# Altium PCB 蓝桥1.3.PcbDoc (part 1 of 2)
Units mm, origin at the board's own origin, x right, y up, seen from the top; angles counter-clockwise.
Board outline 175.02 x 129.02 mm, 2 copper layers (Top Layer, Bottom Layer); 128 components, 128 nets, 604 pads, 130 vias.
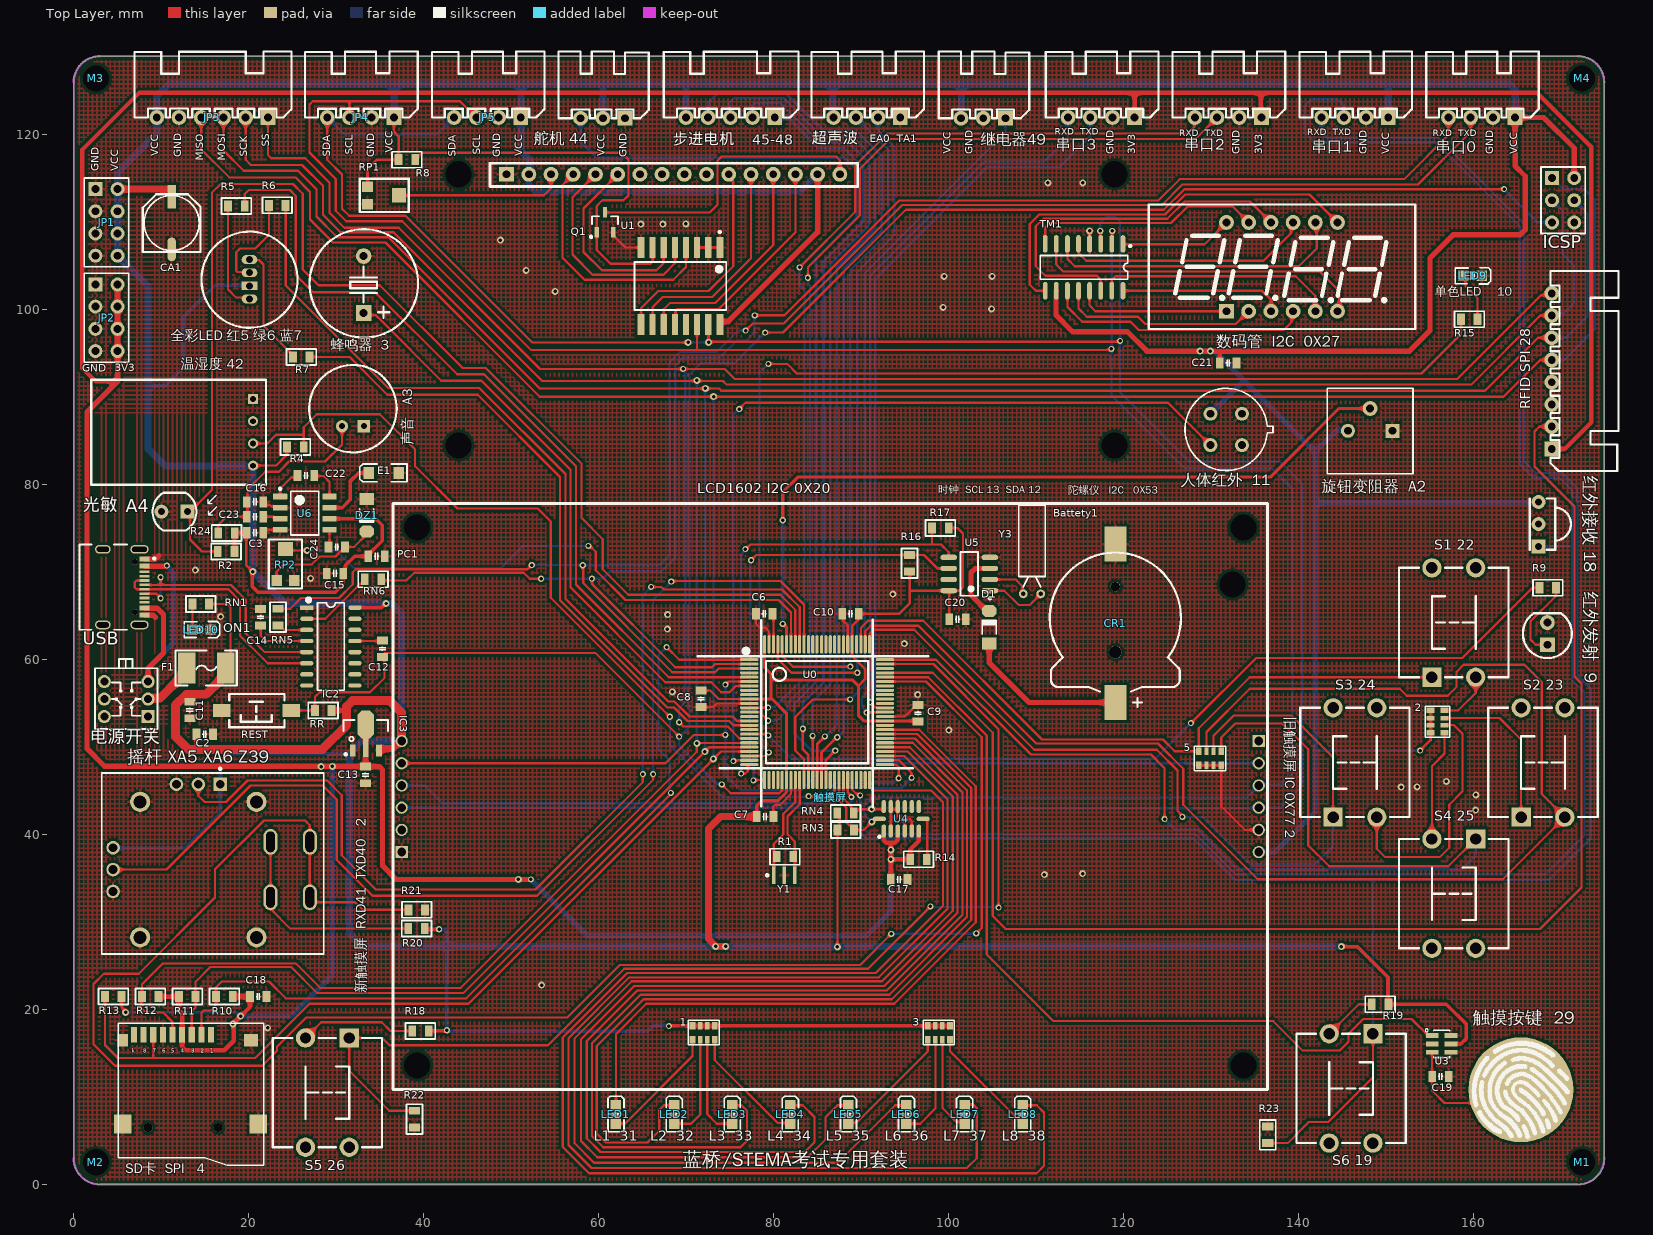
[diagram p0: Top Layer view]
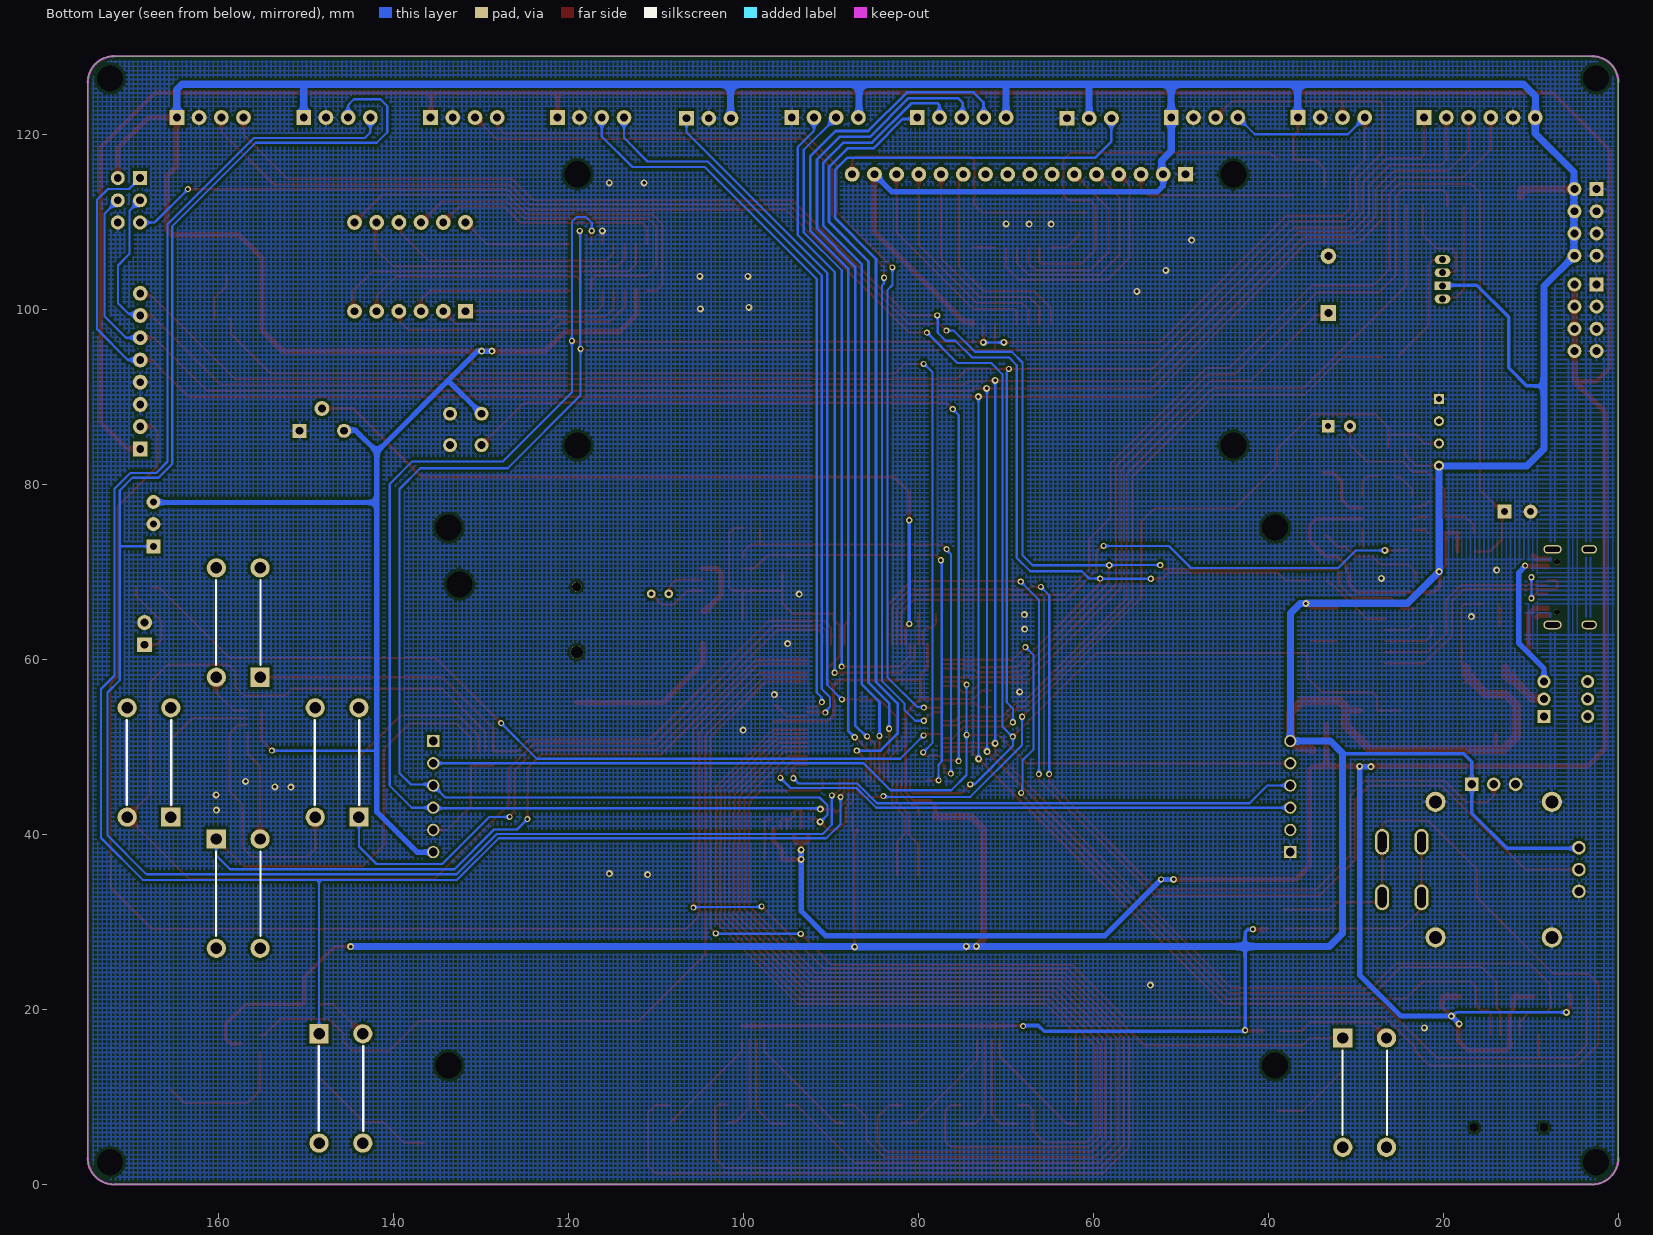
[diagram p1: Bottom Layer view, seen from below]

## Layer stack, top to bottom
Top Solder: solder mask 0.0102, Solder Resist, Dk 3.5
Top Layer: signal copper 0.0356
Dielectric 1: dielectric 0.32, FR-4, Dk 4.8
Bottom Layer: signal copper 0.0356
Bottom Solder: solder mask 0.0102, Solder Resist, Dk 3.5

## Board outline
0,3 0,126 -0.01,126 cw(c3,126) 3,129.01 3,129 172.01,129 172,129.01 cw(c172,126) 175.01,126 175,126.01 175,3 175.01,3 cw(c172,3) 172,-0.01 172,0 3,0 3,-0.01 cw(c3,3)

## Design rules (kind name [scope] priority, off if disabled: settings)
Clearance Clearance_1 [InPolygon] p1: gap=0.305 ignorepadtopadclearanceinfootprint=FALSE
Clearance [All] p2: gap=0.127 ignorepadtopadclearanceinfootprint=FALSE
ComponentClearance [All] p1: gap=0 collisioncheckmode=3 verticalgap=0 showdistances=FALSE
HoleSize [All] p1: absolutevalues=TRUE maxlimit=5 minlimit=0.3 maxpercent=80.000 minpercent=20.000
MinimumSolderMaskSliver [All] p1: minsoldermaskwidth=0.152
PlaneClearance [All] p1: clearance=0.406
PolygonConnect [All] p1: thpad.connectstyle=Relief thpad.reliefconductorwidth=0.254 thpad.reliefentries=4 thpad.polygonreliefangle="90 Angle" thpad.airgapwidth=0.254 smdpad.connectstyle=Relief smdpad.reliefconductorwidth=0.254 smdpad.reliefentries=4 smdpad.polygonreliefangle="90 Angle" smdpad.airgapwidth=0.254 via.connectstyle=Direct via.reliefconductorwidth=0.254 via.reliefentries=4 via.polygonreliefangle="90 Angle" via.airgapwidth=0.254
RoutingVias [All] p1: holewidth=0.5 width=0.8 viastyle="Through Hole" minholewidth=0.3 minwidth=0.5 maxholewidth=0.711 maxwidth=1.27
SilkToSilkClearance [All] p1: silktosilkclearance=0
SilkToSolderMaskClearance [IsPad] p1: minsilkscreentomaskgap=0 clearancetoexposedcopper=TRUE
SolderMaskExpansion [All] p1: expansion=0.051
Width [All] p1: maxlimit=2.032 minlimit=0.127 preferedwidth=0.254
24 further rules are at their usual default settings.

## Components (designator, comment, footprint, x,y, rotation, side; value= is the part's Value field where it differs from the comment)
1 "102" RCA-8P4R-0603 72.03,17.35 r0 top
2 "102" RCA-8P4R-0603 155.95,52.925 r270 top
3 "102" RCA-8P4R-0603 98.925,17.35 r0 top
5 "103" RCA-8P4R-0603 129.925,48.725 r0 top
C2 "10UF" "C 0805_L" 14.975,51.475 r180 top
C3 "104" "C 0805_L" 20.725,74.51 r180 top
C6 "104" "C 0805_L" 78.95,65.25 r0 top
C7 "104" "C 0805_L" 79.05,42.05 r0 top
C8 "104" "C 0805_L" 71.725,55.525 r270 top
C9 "104" "C 0805_L" 96.55,53.875 r90 top
C10 "104" "C 0805_L" 88.825,65.25 r180 top
C11 "104" "C 0805_L" 13.275,54.25 r90 top
C12 "104" "C 0805_L" 35.3,61.25 r90 top
C13 "104" "C 0805_L" 33.35,46.825 r90 top
C14 "104" "C 0805_L" 21.375,64.85 r270 top
C15 "104" "C 0805_L" 29.875,69.875 r180 top
C16 "104（NC）" "C 0805_L" 20.725,78.05 r180 top
C17 "104" "C 0805_L" 94.375,34.875 r0 top
C18 "104" "C 0805_L" 21.1,21.475 r180 top
C19 "1-50PF" "C 0805_L" 156.275,12.35 r180 top
C20 "104" "C 0805_L" 101.05,64.625 r0 top
C21 "104" "C 0805_L" 132,93.925 r180 top
C22 "10UF" "C 0805_L" 26.55,81.05 r180 top
C23 "104" "C 0805_L" 20.726,76.35 r0 top
C24 "104" "C 0805_L" 30.075,72.9 r0 top
CA1 "47uF/25V" "CM D(6.3*5.4)" 11.2,109.925 r90 top
CR1 "1220" CR1220_A 119.1,64.75 r270 top
D1 "" "MINI_MELF (LL34)" 104.675,63.7 r90 top
DZ1 "1N4625" "MINI_MELF (LL34)" 33.5,76.5 r270 top
E1 "10uF/6.3V" "CD A(3216)" 35.45,81.35 r0 top
F1 "MSMD200-8V 2A" "FU 1812" 15.15,59.05 r180 top
IC2 "CH340C" SOP16_L 29.4,61.5 r0 top
IC3 "AMS1117-3V3" SOT89_N 33.4,51.575 r0 top
ICSP "Header3X2" HDR2.54-LI-2X3P 170.3,112.53 r270 top locked
JP1 "Header 4X2" HDR2.54-LI-2X4P 3.75,110 r270 top
JP2 "Header 4X2" HDR2.54-LI-2X4P 3.75,99.1 r270 top
JP3 "HDR-1X6" XH2.54-WI-6P 15.85,122 r180 top locked
JP4 "HDR-1X4" XH2.54-WI-4P 32.8,122 r180 top locked
JP5 "HDR-1X4" XH2.54-WI-4P 47.31,122 r180 top locked
"LCD1602 I2C 0X20" "LCD 1602" LCD-1602 49.5,115.5 r0 top locked
LED1 "31" LUMX-SML-LXT0805_V 62,8 r90 top
LED2 "32" LUMX-SML-LXT0805_V 68.643,8 r90 top
LED3 "33" LUMX-SML-LXT0805_V 75.286,8 r90 top
LED4 "34" LUMX-SML-LXT0805_V 81.929,8 r90 top
LED5 "35" LUMX-SML-LXT0805_V 88.571,8 r90 top
LED6 "36" LUMX-SML-LXT0805_V 95.214,8 r90 top
LED7 "37" LUMX-SML-LXT0805_V 101.857,8 r90 top
LED8 "38" LUMX-SML-LXT0805_V 108.5,8 r90 top
LED9 "38" LUMX-SML-LXT0805_V 159.95,103.9 r0 top
LED10 "31" LUMX-SML-LXT0805_V 14.6,63.45 r0 top
M1 "3MM螺柱" 3MM螺柱#1 173.101,2.54 r0 top
M2 "3MM螺柱" 3MM螺柱#2 2.54,2.54 r0 top
M3 "3MM螺柱" 3MM螺柱#3 2.54,125.603 r0 top
M4 "3MM螺柱" 3MM螺柱#4 171.45,126.619 r0 top
PC1 "10UF" "C 0805_L" 34.625,71.825 r180 top
Q1 "SS8050" SOT23-3N 60.75,110 r0 top
R1 "1M" "R 0805_L" 81.325,37.475 r0 top
R2 "1K" "R 0805_L" 17.425,72.375 r180 top
R4 "10K" "R 0805_L" 25.35,84.325 r0 top
R5 "1K" "R 0805_L" 18.6,111.875 r0 top
R6 "1K" "R 0805_L" 23.275,111.95 r0 top
R7 "1K" "R 0805_L" 26.025,94.625 r0 top
R8 "10K" "R 0805_L" 38.1,117.175 r0 top
R9 "1K" "R 0805_L" 168.55,68.225 r0 top
R10 "10K" "R 0805_L" 17.224,21.475 r180 top
R11 "10K" "R 0805_L" 12.991,21.475 r180 top
R12 "10K" "R 0805_L" 8.758,21.475 r0 top
R13 "10K" "R 0805_L" 4.525,21.475 r0 top
R14 "10K" "R 0805_L" 96.6,37.175 r180 top
R15 "1K" "R 0805_L" 159.575,98.925 r0 top
R16 "10K" "R 0805_L" 95.575,71.025 r270 top
R17 "10K" "R 0805_L" 99.1,75.05 r0 top
R18 "1K" "R 0805_L" 39.65,17.55 r0 top
R19 "1K" "R 0805_L" 149.375,20.6 r180 top
R20 "1K" "R 0805_L" 39.2,29.25 r180 top
R21 "10K" "R 0805_L" 39.225,31.4 r0 top
R22 "10K" "R 0805_L" 38.975,7.475 r90 top
R23 "10K" "R 0805_L" 136.525,5.675 r270 top
R24 "10K" "R 0805_L" 17.475,74.5 r0 top
REST "3x6x5" "TSW SMD-3*6*2.5" 20.875,54.175 r180 top
"RFID SPI 28" "HDR-1X8" XH2.54-WI-8P 169,93 r90 top locked
RN1 "1K" "R 0805_L" 14.525,66.375 r180 top
RN3 "10K" "R 0805_L" 88.275,40.525 r0 top
RN4 "10K" "R 0805_L" 88.25,42.475 r0 top
RN5 "1K" "R 0805_L" 23.35,64.875 r90 top
RN6 "1K" "R 0805_L" 34.225,69.2 r0 top
RP1 "10K" 3303W 35.4,113.1 r270 top
RP2 "10K" 3303W 24.2,70.85 r0 top
RR "10K" "R 0805_L" 28.525,54.2 r180 top
"S1 22" "12x12x5" "TSW DIP-12*12*4.3" 157.8,64.25 r90 top locked
"S2 23" "12x12x5" "TSW DIP-12*12*4.3" 168,48.25 r90 top locked
"S3 24" "12x12x5" "TSW DIP-12*12*4.3" 146.5,48.25 r90 top locked
"S4 25" "12x12x5" "TSW DIP-12*12*4.3" 157.8,33.25 r270 top locked
"S5 26" "12x12x5" "TSW DIP-12*12*4.3" 29,10.5 r270 top
"S6 19" "12x12x5" "TSW DIP-12*12*4.3" 146.05,10.975 r270 top
"SD卡  SPI   4" "TF_Card" "Micro SD" 12.5,6.5 r0 top locked
TM1 "TM1650" SOP16 115.525,104.875 r270 top
U0 "atmega2560" "LQFP100 14x14_M" 85,54 r270 top locked
U1 "PCF8574T" FP-SOT162-1-MFG 69.375,102.725 r270 top locked
U3 "TTP223B" SOT23-6 156.396,16.068 r90 top
U4 "ADXL345BCCZ-RL7" ADI-CC-14-1_V 94.625,41.8 r90 top
U5 "DS1307Z+T&R" S8+2_L 102.4,69.8 r180 top
U6 "LM386M-1" D0008A_M 26.425,76.75 r0 top
USB "USB4105-GF-A" FP-USB4105-GF-A-MFG 4.5,68.3 r270 top locked
Y1 "CSTCE8M00G55-R0" MURA-CSTCE_G_A-3_V 81.25,35.35 r0 top
Y3 "32.768kHz" OSC-3x8-WI-A 109.575,67.525 r0 top
串口0 "HDR-1X4" XH2.54-WI-4P 161,122 r180 top locked
串口1 "HDR-1X4" XH2.54-WI-4P 146.5,122 r180 top locked
串口2 "HDR-1X4" XH2.54-WI-4P 132,122 r180 top locked
串口3 "HDR-1X4" XH2.54-WI-4P 117.5,122 r180 top locked
"人体红外  11" "BM412" BM412 131.775,86.325 r315 top
光敏 "5528" RG5528 11.525,76.925 r180 top
"全彩LED 红5 绿6 蓝7" "RGBLED" RGB10MM 20.1,103.45 r90 top
"声音   A3" "MIC" MIC 31.925,88.7 r270 top
"摇杆 XA5 XA6 Z39" "RKJXK122400Y" FP-RKJXK122400Y-MFG 14.25,36 r90 top locked
"数码管  I2C  0X27" "3641A" "SMG 0.36-4P" 138.16,104.92 r0 top locked
"旋钮变阻器  A2" "3386P-1-105TLF" FP-3386P-MFG 148.235,86.16 r180 top value=1MΩ
步进电机 "HDR-1X5" XH2.54-WI-5P 75.08,122 r180 top locked
"温湿度 42" "DHT11" DHT11 20.5,86 r90 top
电源开关 "KET 7X7" "KFT DIP-7X7" 6,55.5 r90 top
"红外发射  9" "" I-LED-5MM 168.5,62.975 r90 top
"红外接收 18" "VS1838B" VS1838B-B 167.5,75.5 r90 top
继电器49 "HDR-1X3" XH2.54-WI-3P 104,121.908 r180 top locked (schematic designator 继电器)
"舵机 44" "HDR-1X3" XH2.54-WI-3P 60.5,121.908 r180 top locked
"蜂鸣器  3" "DC5V" "BEEP 6.5x12x6" 33.15,102.9 r0 top
触摸屏 "触摸屏" 触摸屏 86.5,44.35 r0 top locked
"触摸按键  29" "touch" TOUCH 165.475,10.825 r45 top
超声波 "HDR-1X4" XH2.54-WI-4P 90.7,122 r180 top locked

## Footprints (in the part's own frame and the unit in brackets; to place one, negate y for a bottom-side part, rotate by r counter-clockwise, add the part's x,y. Pads: shape width x height; smd on the part's side, far side on the other; paste and mask are expansions set on the pad)
3MM螺柱#1 [mm]
  round 0 hole 3: 0(-0.641,0)
3MM螺柱#2 [mm]
  round 0 hole 3: 0(0,0)
3MM螺柱#3 [mm]
  round 0 hole 3: 0(0,0.857)
3MM螺柱#4 [mm]
  round 0 hole 3: 0(1.01,-0.159)
3303W [mm] "3.5*3.1*1.5mm"
  rect 1.2x1.3 smd: 1(-1,-1.8) 3(1,-1.8)
  rect 1.7x1.6 smd: 2(0,1.8)
  silkscreen extent -1.9,-2.7 1.9,2.9, body extent -1.55,-2.06 1.55,2.05, height 1.45
ADI-CC-14-1_V [mm] "QFN, 14-Leads, Body 5x3mm, Pitch 0.8mm"
  oval 1.5x0.5 smd: 1(-1.4,2) 2(-1.4,1.2) 3(-1.4,0.4) 4(-1.4,-0.4) 5(-1.4,-1.2) 6(-1.4,-2) 8(1.4,-2) 9(1.4,-1.2) 10(1.4,-0.4) 11(1.4,0.4) 12(1.4,1.2) 13(1.4,2)
  oval 0.5x1.5 smd: 7(0,-2.5) 14(0,2.5)
  silkscreen extent -2.18,2.37 -1.93,2.62, body extent -1.5,-2.5 1.5,2.5, height 1
"BEEP 6.5x12x6" [mm] "6.5*12*6mm(脚距,直径,高度)"
  rect 1.8x1.8 hole 0.9: 1(0,-3.25)
  round 1.8 hole 0.9: 2(0,3.25)
  silkscreen extent -6.18,-6.07 6.22,6.32, body extent -6,-6 6,6, height 6.05
BM412 [mm]
  round 1.6 hole 0.9 paste-1000 mask+0: 1(2.54,0) 2(0,2.54) 3(-2.54,0) 4(0,-2.54)
  silkscreen extent -4.7,-4.7 4.7,4.7, body extent -4.8,-4.8 4.8,4.8, height 0.25
"C 0805_L" [mil] "无极性贴片电容"
  rect 35x50 smd: 1(-37.4,0) 2(37.4,0)
  silkscreen extent -10,-15 10,15, body extent -39,-24 39,24, height 20
"CD A(3216)" [mm] "长3.2mm，宽1.6mm，厚1.6mm"
  rect 1.2x1.4 smd: 1(-1.7,0) 2(1.7,0)
  silkscreen extent -2.74,-1.02 2.67,1.02, body extent -1.6,-0.8 1.6,0.8, height 1.6
"CM D(6.3*5.4)" [mm] "贴片电解电容，直径6.3mm，高5.4mm"
  rect 2.7x1 smd: 1(3,0)
  oval 2.7x1 smd: 2(-3,0)
  silkscreen extent -3.3,-3.3 3.3,3.3, body extent -3.5,-3.3 3.5,3.3, height 5.4
CR1220_A [mm] "纽扣电池座"
  round 1.1 hole 1.1: 0(-3.6,0)
  round 1.45 hole 1.45: 0(3.9,0)
  rect 4x2.5 smd: 1(9.652,0) 2(-8.458,0)
  silkscreen extent -7.5,-7.5 10.16,7.5, body extent -9.42,-7.45 10.34,7.45, height 4.05
D0008A_M [mm] "SOIC, 8-Leads, Body 5x4mm, Pitch 1.27mm, IPC Low Density"
  rrect15% 1.65x0.65 smd: 1(-2.825,1.905) 2(-2.825,0.635) 3(-2.825,-0.635) 4(-2.825,-1.905) 5(2.825,-1.905) 6(2.825,-0.635) 7(2.825,0.635) 8(2.825,1.905)
  silkscreen extent -2.95,-2.5 1.6,2.9, body extent -3,-2.45 3,2.45, height 1.63
DHT11 [mm]
  round 1.15 hole 0.65 paste-1000 mask+0: 1(-3.81,0) 2(-1.27,0) 3(1.27,0)
  rect 1.15x1.15 hole 0.65 paste-1000 mask+0: 4(3.81,0)
  silkscreen extent -6,-1.5 6,18.5, body extent -6,-4.95 6,18.54, height 5.5
FP-3386P-MFG [mm]
  rect 1.6x1.6 hole 0.9 paste-1000 mask+0: 1(-2.54,-0.015)
  round 1.7 hole 0.9 paste-1000 mask+0: 2(0,-2.555)
  round 1.6 hole 0.9 paste-1000 mask+0: 3(2.54,-0.015)
  silkscreen extent -4.89,-4.89 4.89,4.89, body extent -4.99,-4.99 4.99,4.99, height 0.25
FP-RKJXK122400Y-MFG [mm]
  round 2.3 hole 1.5 paste-1000 mask+0: 1(-7.75,6.65) 2(7.75,6.65) 3(-7.75,-6.65) 4(7.75,-6.65)
  rect 1.55x1.55 hole 1 paste-1000 mask+0: 1_VR1(9.75,-2.5)
  round 1.55 hole 1 paste-1000 mask+0: 1_VR2(2.5,9.75) 2_VR1(9.75,0) 2_VR2(0,9.75) 3_VR1(9.75,2.5) 3_VR2(-2.5,9.75)
  rrect100% 2.95x1.6 hole 1 slot 2.35 at 0 deg paste-1000 mask+0: a(-3.175,-8.25) b(-3.175,-12.75) c(3.175,-8.25) d(3.175,-12.75)
  silkscreen extent -9.65,-14.35 11.65,11.05, body extent -9.75,-14.45 11.15,11.15, height 0.25
FP-SOT162-1-MFG [mm]
  rect 2.4x0.8 smd paste+0 mask+0: 1(-4.4,4.495) 8(-4.4,-4.495) 9(4.4,-4.495) 16(4.4,4.495)
  rect 2.4x0.7 smd paste+0 mask+0: 2(-4.4,3.175) 3(-4.4,1.905) 4(-4.4,0.635) 5(-4.4,-0.635) 6(-4.4,-1.905) 7(-4.4,-3.175) 10(4.4,-3.175) 11(4.4,-1.905) 12(4.4,-0.635) 13(4.4,0.635) 14(4.4,1.905) 15(4.4,3.175)
  silkscreen extent -6.3,-5.25 2.75,5.25, body extent -5.72,-5.95 5.72,5.95, height 0.25
FP-USB4105-GF-A-MFG [mm]
  rrect100% 1x2.1 hole 1.7 slot 0.6 at 0 deg paste-1000 mask+0: 1(-4.32,3.015) 2(4.32,3.015)
  rrect100% 1x1.8 hole 1.4 slot 0.6 at 0 deg paste-1000 mask+0: 3(-4.32,-1.165) 4(4.32,-1.165)
  rect 0.6x1.15 smd paste+0 mask+0: A1-B12(-3.2,3.59) A4-B9(-2.4,3.59) B1-A12(3.2,3.59) B4-A9(2.4,3.59)
  rect 0.3x1.15 smd paste+0 mask+0: A5(-1.25,3.59) A6(-0.25,3.59) A7(0.25,3.59) A8(1.25,3.59) B5(1.75,3.59) B6(0.75,3.59) B7(-0.75,3.59) B8(-1.75,3.59)
  round 0.65 hole 0.65 unplated paste-1000 mask+0: ""(-2.89,2.515) ""(2.89,2.515)
  silkscreen extent -4.86,-3.84 4.86,4.84, body extent -4.96,-3.94 4.96,4.27, height 0.25
"FU 1812" [mm] "贴片保险丝"
  rect 2x3.5 smd: 1(-2.25,0) 2(2.25,0)
  silkscreen extent -3.5,-2 3.5,2, body extent -2.3,-1.61 2.3,1.61, height 0.87
HDR2.54-LI-2X3P [mm] "双排排针，3x2脚"
  rect 1.6x1.6 hole 0.9: 1(-2.54,-1.27)
  round 1.6 hole 0.9: 2(-2.54,1.27) 3(0,-1.27) 4(0,1.27) 5(2.54,-1.27) 6(2.54,1.27)
  silkscreen extent -3.81,-2.54 3.81,2.54, body extent -3.81,-2.54 3.81,2.54, height 8.5
HDR2.54-LI-2X4P [mm] "双排排针，4x2脚"
  rect 1.6x1.6 hole 0.9: 1(-3.81,-1.27)
  round 1.6 hole 0.9: 2(-3.81,1.27) 3(-1.27,-1.27) 4(-1.27,1.27) 5(1.27,-1.27) 6(1.27,1.27) 7(3.81,-1.27) 8(3.81,1.27)
  silkscreen extent -5.08,-2.54 5.08,2.54, body extent -5.08,-2.54 5.08,2.54, height 8.5
I-LED-5MM [mm] "5mm红外发射管"
  rect 1.7x1.7 hole 0.9: 1(-1.27,0)
  round 1.7 hole 0.9: 2(1.27,0)
  silkscreen extent -2.8,-2.8 2.33,2.8, body extent -2.85,-2.85 2.45,2.85, height 8.75
"KFT DIP-7X7" [mm] "自锁开关，规格：7*7mm"
  rect 1.5x1.5 hole 0.9: 1(-2,-2.5)
  round 1.5 hole 0.9: 2(0,-2.5) 3(2,-2.5) 4(2,2.5) 5(0,2.5) 6(-2,2.5)
  silkscreen extent -3.42,-3.58 4.58,3.56, body extent -3.5,-3.5 3.5,3.5, height 11.2
LCD-1602 [mm] "LCD module 16*2 char"
  round 0 hole 3: 0(-5.5,-31) 0(-5.5,0) 0(69.5,-31) 0(69.5,0)
  rect 1.7x1.7 hole 0.9: 1(0,0)
  round 1.7 hole 0.9: 2(2.54,0) 3(5.08,0) 4(7.62,0) 5(10.16,0) 6(12.7,0) 7(15.24,0) 8(17.78,0) 9(20.32,0) 10(22.86,0) 11(25.4,0) 12(27.94,0) 13(30.48,0) 14(33.02,0) 15(35.56,0) 16(38.1,0)
  silkscreen extent -1.91,-1.4 40.13,1.27, body extent -8.15,-33.11 71.85,1.89, height 9
"LQFP100 14x14_M" [mm] "100脚，体宽14x14mm，脚距0.5mm"
  oval 0.35x2.1 smd: 1(-6,-7.747) 2(-5.5,-7.747) 3(-5,-7.747) 4(-4.5,-7.747) 5(-4,-7.747) 6(-3.5,-7.747) 7(-3,-7.747) 8(-2.5,-7.747) 9(-2,-7.747) 10(-1.5,-7.747) 11(-1,-7.747) 12(-0.5,-7.747) 13(0,-7.747) 14(0.5,-7.747) 15(1,-7.747) 16(1.5,-7.747) 17(2,-7.747) 18(2.5,-7.747) 19(3,-7.747) 20(3.5,-7.747) 21(4,-7.747) 22(4.5,-7.747) 23(5,-7.747) 24(5.5,-7.747) 25(6,-7.747) 51(6,7.758) 52(5.5,7.758) 53(5,7.758) 54(4.5,7.758) 55(4,7.758) 56(3.5,7.758) 57(3,7.758) 58(2.5,7.758) 59(2,7.758) 60(1.5,7.758) 61(1,7.758) 62(0.5,7.758) 63(0,7.758) 64(-0.5,7.758) 65(-1,7.758) 66(-1.5,7.758) 67(-2,7.758) 68(-2.5,7.758) 69(-3,7.758) 70(-3.5,7.758) 71(-4,7.758) 72(-4.5,7.758) 73(-5,7.758) 74(-5.5,7.758) 75(-6,7.758)
  oval 2.1x0.35 smd: 26(7.752,-5.994) 27(7.752,-5.494) 28(7.752,-4.994) 29(7.752,-4.494) 30(7.752,-3.994) 31(7.752,-3.494) 32(7.752,-2.994) 33(7.752,-2.494) 34(7.752,-1.994) 35(7.752,-1.494) 36(7.752,-0.994) 37(7.752,-0.494) 38(7.752,0.006) 39(7.752,0.506) 40(7.752,1.006) 41(7.752,1.506) 42(7.752,2.006) 43(7.752,2.506) 44(7.752,3.006) 45(7.752,3.506) 46(7.752,4.006) 47(7.752,4.506) 48(7.752,5.006) 49(7.752,5.506) 50(7.752,6.006) 76(-7.752,6.006) 77(-7.752,5.506) 78(-7.752,5.006) 79(-7.752,4.506) 80(-7.752,4.006) 81(-7.752,3.506) 82(-7.752,3.006) 83(-7.752,2.506) 84(-7.752,2.006) 85(-7.752,1.506) 86(-7.752,1.006) 87(-7.752,0.506) 88(-7.752,0.006) 89(-7.752,-0.494) 90(-7.752,-0.994) 91(-7.752,-1.494) 92(-7.752,-1.994) 93(-7.752,-2.494) 94(-7.752,-2.994) 95(-7.752,-3.494) 96(-7.752,-3.994) 97(-7.752,-4.494) 98(-7.752,-4.994) 99(-7.752,-5.494) 100(-7.752,-5.994)